# Altium PCB 400389.PcbDoc (part 2 of 8)
Units mm, origin at the board's own origin, x right, y up, seen from the top; angles counter-clockwise.
Board outline 155 x 63.5 mm, 4 copper layers (Top Layer, Mid-Layer 1, Mid-Layer 2, Bottom Layer), stack 1.54 mm thick; 437 components, 325 nets, 2173 pads, 2226 vias.
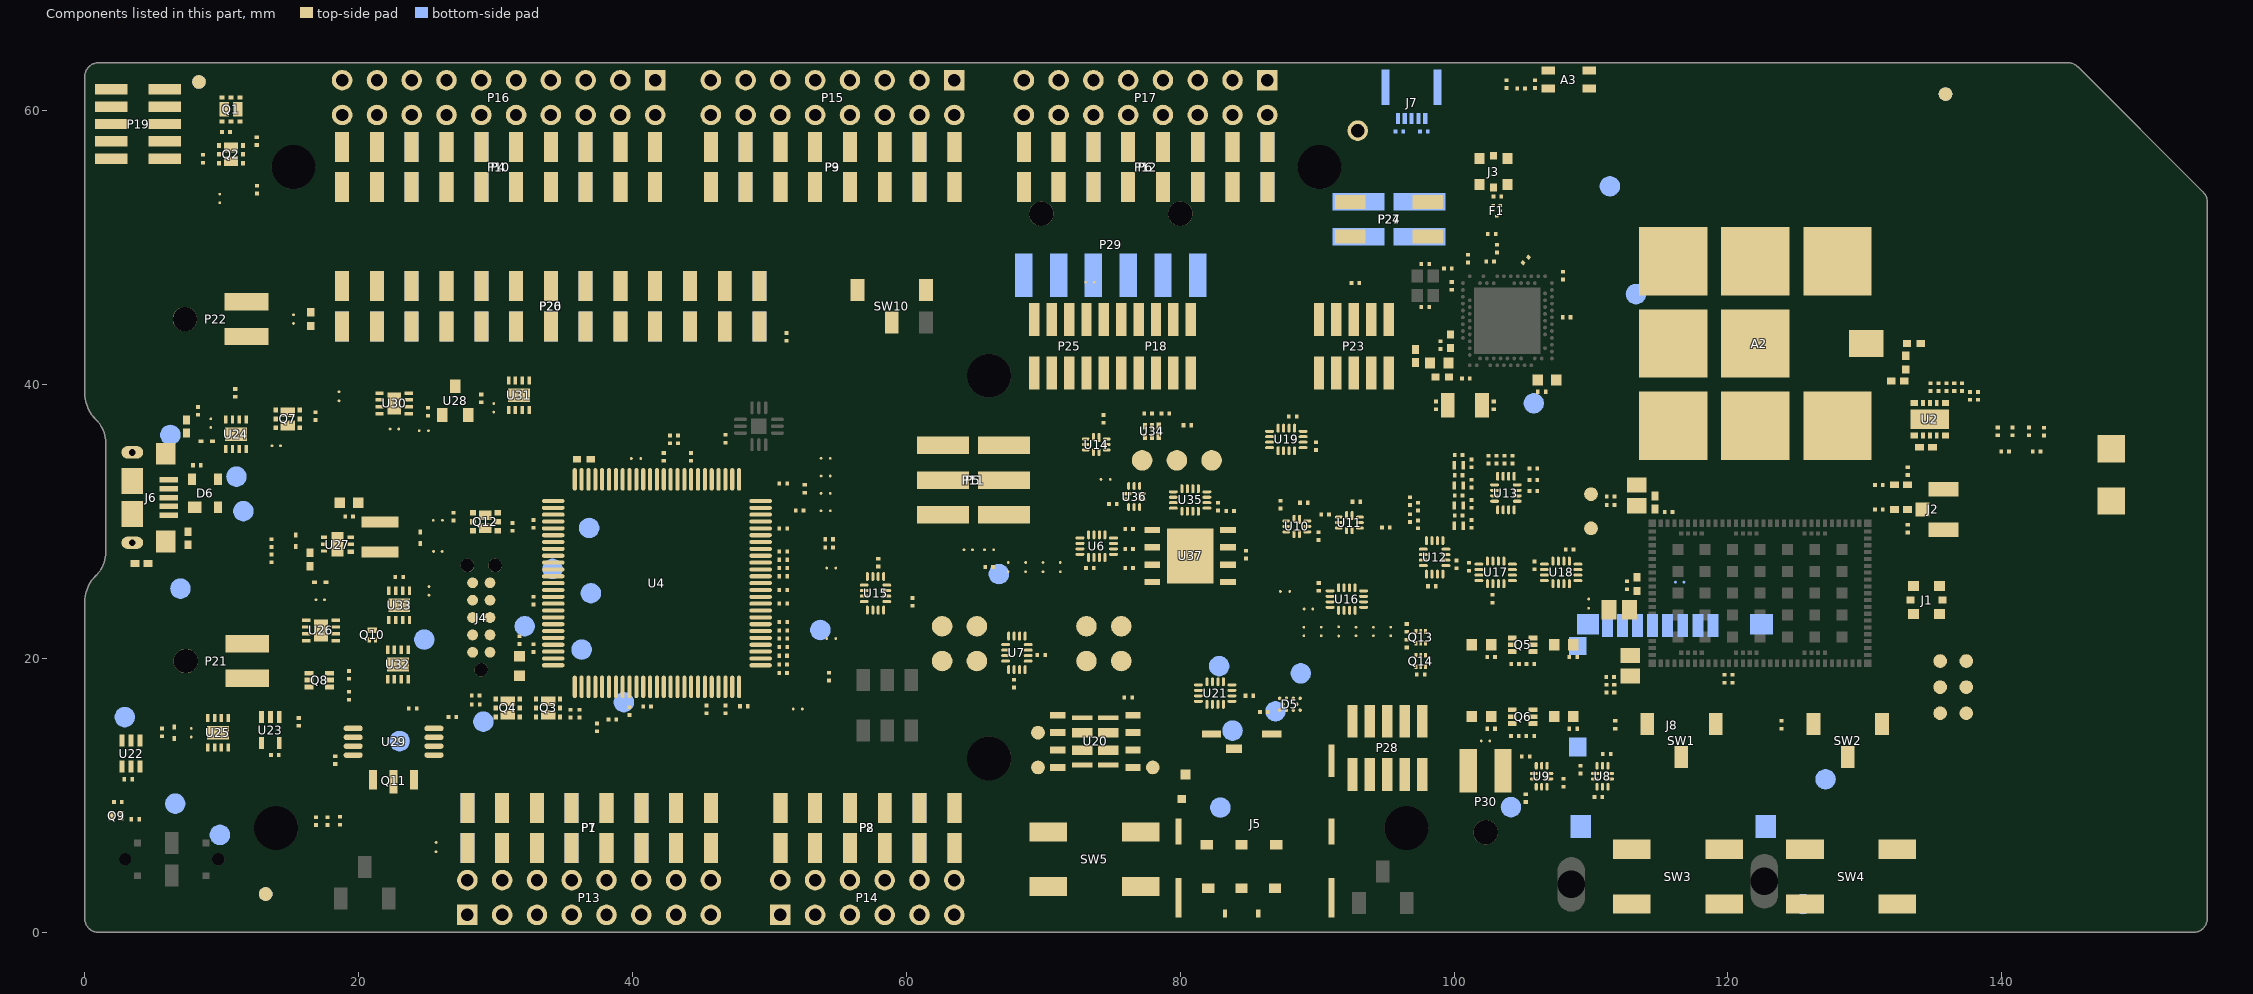
[diagram p4: the components of this part, seen from the top]

## Footprints (in the part's own frame and the unit in brackets; to place one, negate y for a bottom-side part, rotate by r counter-clockwise, add the part's x,y. Pads: shape width x height; smd on the part's side, far side on the other; paste and mask are expansions set on the pad) (continued)
P822601 [mm] "Molded Diode, 2-Leads, Body 22,00x7,00mm, IPC Medium Density"
  rect 2x2 smd: 1(-8.89,-2.286) 2(-5.08,-2.286)
  Top Layer region: -10.45,-11.296 -24.65,-11.296 -24.65,-7.996 -10.45,-7.996
  Top Layer region: 24.75,-11.296 -8.05,-11.296 -8.05,-8.001 24.75,-8.001
  Top Layer region: -8.45,-10.496 -8.95,-10.496 -8.95,-10.296 -8.45,-10.296
  Top Layer region: -9.45,-10.496 -9.95,-10.496 -9.95,-10.296 -9.45,-10.296
  Top Layer region: -8.45,-10.696 -9.95,-10.696 -9.95,-10.496 -8.45,-10.496
  Top Layer region: -8.45,-10.896 -8.95,-10.896 -8.95,-10.696 -8.45,-10.696
  Top Layer region: -9.45,-10.896 -9.95,-10.896 -9.95,-10.696 -9.45,-10.696
  Top Layer region: -9.6,-11.296 -9.8,-11.296 -9.8,-10.896 -9.6,-10.896
  Top Layer region: -7.3,-3.796 -10.4,-3.796 -10.4,-0.596 -7.3,-0.596
  Top Layer region: -8.2,-5.696 -9.2,-5.696 -9.2,-3.796 -8.2,-3.796
  Top Layer region: -8.6,-6.896 -8.8,-6.896 -8.8,-5.696 -8.6,-5.696
  Top Layer region: -8.45,-7.096 -8.95,-7.096 -8.95,-6.896 -8.45,-6.896
  Top Layer region: -9.45,-7.096 -9.95,-7.096 -9.95,-6.896 -9.45,-6.896
  Top Layer region: -8.45,-7.296 -9.95,-7.296 -9.95,-7.096 -8.45,-7.096
  Top Layer region: -8.45,-7.496 -8.95,-7.496 -8.95,-7.296 -8.45,-7.296
  Top Layer region: -9.45,-7.496 -9.95,-7.496 -9.95,-7.296 -9.45,-7.296
  Top Layer region: -9.2,-6.496 -12.45,-6.496 -12.45,-5.996 -9.2,-5.996
  Top Layer region: -10.45,-7.996 -12.45,-7.996 -12.45,-6.496 -10.45,-6.496
  Top Layer region: -3.67,-3.826 -6.399,-3.826 -6.4,-0.566 -3.67,-0.566
  Top Layer region: -3.67,-5.996 -5.71,-5.996 -5.71,-3.826 -3.67,-3.826
  Top Layer region: -3.67,-7.991 -8.05,-7.991 -8.05,-5.996 -3.67,-5.996
  Top Layer region: 24.6,-2.046 21.7,-2.046 21.7,3.754 24.6,3.754
  Top Layer region: 24.6,-5.796 12.05,-5.796 12.05,-2.046 24.6,-2.046
  Top Layer region: -21.6,-3.746 -24.5,-3.746 -24.5,-1.246 -21.6,-1.246
  Top Layer region: -22.4,-0.846 -24.5,-0.846 -24.5,0.854 -22.4,0.854
  Top Layer region: -21.6,1.254 -24.5,1.254 -24.5,3.754 -21.6,3.754
  Top Layer region: -9.45,-9.796 -9.95,-9.796 -9.95,-9.596 -9.45,-9.596
  Top Layer region: -8.45,-9.796 -8.95,-9.796 -8.95,-9.596 -8.45,-9.596
  Top Layer region: -8.45,-9.596 -9.95,-9.596 -9.95,-9.396 -8.45,-9.396
  Top Layer region: -9.45,-9.396 -9.95,-9.396 -9.95,-9.196 -9.45,-9.196
  Top Layer region: -8.45,-9.396 -8.95,-9.396 -8.95,-9.196 -8.45,-9.196
  Top Layer region: -9.6,-9.196 -9.8,-9.196 -9.8,-8.596 -9.6,-8.596
  Top Layer region: -9.45,-8.596 -9.95,-8.596 -9.95,-8.396 -9.45,-8.396
  Top Layer region: -8.45,-8.596 -8.95,-8.596 -8.95,-8.396 -8.45,-8.396
  Top Layer region: -8.45,-8.396 -9.95,-8.396 -9.95,-8.196 -8.45,-8.196
  Top Layer region: -9.45,-8.196 -9.95,-8.196 -9.95,-7.996 -9.45,-7.996
  Top Layer region: -8.45,-8.196 -8.95,-8.196 -8.95,-7.996 -8.45,-7.996
  Bottom Layer region: 24.752,-11.296 -24.648,-11.296 -24.65,-7.996 24.75,-7.996
  Bottom Layer region: -3.86,-7.996 -12.45,-7.996 -12.45,-5.996 -3.86,-5.996
  Bottom Layer region: 4.7,-5.796 3.7,-5.796 3.7,-3.746 4.7,-3.746
  Bottom Layer region: 6.2,-5.796 5.2,-5.796 5.2,-3.746 6.2,-3.746
  Bottom Layer region: 13.2,-4.596 11.2,-4.596 11.2,-3.746 13.2,-3.746
  Bottom Layer region: 10.7,-4.596 9.7,-4.596 9.7,-3.746 10.7,-3.746
  Bottom Layer region: 9.2,-4.596 8.2,-4.596 8.2,-3.746 9.2,-3.746
  Bottom Layer region: 7.7,-4.596 6.7,-4.596 6.7,-3.746 7.7,-3.746
  Bottom Layer region: 13.2,-4.896 6.7,-4.896 6.7,-4.596 13.2,-4.596
  Bottom Layer region: 13.2,-5.796 11.2,-5.796 11.2,-4.896 13.2,-4.896
  Bottom Layer region: 10.7,-5.796 9.7,-5.796 9.7,-4.896 10.7,-4.896
  Bottom Layer region: 9.2,-5.796 8.2,-5.796 8.2,-4.896 9.2,-4.896
  Bottom Layer region: 7.7,-5.796 6.7,-5.796 6.7,-4.896 7.7,-4.896
  Bottom Layer region: -22.5,-5.046 -24.5,-5.046 -24.5,-4.046 -22.5,-4.046
  Bottom Layer region: -21,-3.546 -22,-3.546 -22,-1.046 -21,-1.046
  Bottom Layer region: -22.5,-0.546 -24.5,-0.546 -24.5,3.754 -22.5,3.754
  Bottom Layer region: -22.5,-1.046 -22.8,-1.046 -22.8,-0.546 -22.5,-0.546
  Bottom Layer region: -22.5,-2.046 -24.5,-2.046 -24.5,-1.046 -22.5,-1.046
  Bottom Layer region: -24.196,-2.546 -24.5,-2.546 -24.5,-2.046 -24.196,-2.046
  Bottom Layer region: -22.5,-3.546 -24.5,-3.546 -24.5,-2.546 -22.5,-2.546
  Multi-Layer pour cut-out: -39.95,5.08 39.05,5.08 39.05,-7.996 -39.95,-7.996
  silkscreen extent -25.2,-4.25 25.3,4.05, body extent -24.95,-4 25.05,4, height 3.2
PMCPB5530X [mm] "QFN, 6-Leads, Body 2.00x2.00mm, Pitch 0.65mm, IPC Medium Density"
  rect 0.3x0.35 smd mask+0.05: 1(-0.875,0.65) 2(-0.875,0) 3(-0.875,-0.65) 4(0.875,-0.65) 5(0.875,0) 6(0.875,0.65)
  rect 1.05x0.72 smd mask+0.05: 3(0,-0.49) 6(0,0.49)
  silkscreen extent -1.47,-1.06 1.06,1.27, body extent -1.05,-1.05 1.05,1.05, height 0.65
PSON50P100X60-6N [mm] "PSON, 6-Leads, Body 1.45x1.00mm, Pitch 0.50mm, IPC Medium Density"
  rect 0.52x0.3 smd mask+0.05: 1(-0.38,0.5)
  rect 0.49x0.3 smd mask+0.05: 2(-0.375,0) 3(-0.375,-0.5) 4(0.375,-0.5) 5(0.375,0) 6(0.375,0.5)
  silkscreen extent -0.74,-0.79 0.53,0.91, body extent -0.53,-0.75 0.53,0.75, height 0.6
RESC0603X03L_C [mm] "Chip Resistor, 2-Leads, Body 0.6x0.3mm, IPC High Density"
  rect 0.27x0.3 smd: 1(-0.285,0) 2(0.285,0)
  silkscreen extent -0.49,-0.22 0.49,0.22, body extent -0.3,-0.15 0.3,0.15, height 0.23
RESC0603X03L_C_NC [mm] "Chip Resistor, 2-Leads, Body 0.6x0.3mm, IPC High Density"
  rect 0.27x0.3 smd: 1(-0.285,0) 2(0.285,0)
  silkscreen extent -0.49,-0.22 0.49,0.22
RESC1005X04L [mm] "Chip Resistor, 2-Leads, Body 1.0x0.5mm, IPC High Density"
  rect 0.6x0.55 smd mask+0.05: 1(-0.5,0) 2(0.5,0)
  silkscreen extent -0.87,-0.38 0.88,0.38, body extent -0.5,-0.25 0.5,0.25, height 0.3
RESC1005X04L_NC [mm] "Chip Resistor, 2-Leads, Body 1.0x0.5mm, IPC High Density"
  rect 0.6x0.55 smd mask+0.05: 1(-0.5,0) 2(0.5,0)
  silkscreen extent -0.87,-0.38 0.88,0.38
SAFFB2G45MA0F0A [mm] "SOT23, 5-Leads, Body 2,90x2,80mm, Pitch 0,95mm, IPC Medium Density"
  rect 0.2x0.25 smd mask+0.065: 1(-0.4,0) 2(0,-0.25) 3(0.4,-0.25) 4(0.4,0.25) 5(0,0.25)
  silkscreen extent -0.81,-0.71 0.61,0.51, body extent -0.55,-0.45 0.55,0.45, height 0.5
SF72S006VBAR2500 [mm] "SOT23, 5-Leads, Body 2,90x2,80mm, Pitch 0,95mm, IPC Medium Density"
  rect 0.45x2.9 smd: 0(-11.175,1.9) 0(0,1.9)
  rect 0.45x1.9 smd: 0(-11.175,6.75) 0(0,6.75)
  rect 0.75x0.7 smd: 0(-10.675,10.9)
  rect 1.4x0.5 smd: 0(-8.78,13.85) 0(-4.38,13.85)
  rect 0.3x0.6 smd: 0(-7.8,0.75) 0(-5.36,0.75)
  rect 0.45x2.4 smd: 0(0,11.9)
  rect 0.9x0.7 smd: C1(-4.14,2.6) C2(-6.58,2.6) C3(-9.02,2.6) C5(-4.04,5.77) C6(-6.58,5.77) C7(-9.12,5.77)
  rect 0.6x0.6 smd: CSW(-10.95,9.1)
  rect 1.2x0.65 smd: DSW(-7.13,12.775)
  Top Layer pour cut-out: -10.084,9.5 -3.073,9.5 -3.073,-0.025 -10.084,-0.025
  Top Layer pour cut-out: -8.407,13.106 -3.48,13.106 -3.48,9.855 -8.407,9.855
  silkscreen extent -11.3,-0.67 0.67,14.53, body extent -11.2,0.05 0.02,14.4, height 1.25
Shunt_2.54mm_Horizontal [mm]
  body extent 0,-2.54 5.03,2.54, height 3.04
SKY65943-11 [mm]
  rect 0.425x0.515 smd mask+0.05: 1(-1.188,1.144) 5(-1.188,-1.144) 6(1.188,-1.144) 10(1.188,1.144)
  rect 0.425x0.275 smd mask+0.05: 2(-1.188,0.5) 3(-1.188,0) 4(-1.188,-0.5) 7(1.188,-0.5) 8(1.188,0) 9(1.188,0.5)
  rect 1.45x2.802 smd paste-2 mask-5: 11(0,0)
  rect 1.55x2.487 on Top Solder: ""(0,0)
  Top Layer region: -0.988,0.887 -0.713,0.887 -0.713,1.4 -0.988,1.4
  Top Layer region: 0.712,-1.4 0.987,-1.4 0.987,-0.887 0.712,-0.887
  Top Layer region: 0.712,0.362 0.987,0.362 0.987,0.637 0.712,0.637
  Top Layer region: -0.712,-0.362 -0.987,-0.362 -0.987,-0.637 -0.712,-0.637
  silkscreen extent -1.65,-1.3 1.3,1.65, body extent -1.25,-1.25 1.25,1.25, height 0.71
SOCKET_1x6_SMD [mm] "Socket, 2.54mm, SMD"
  rect 1.02x2.19 smd: 1(0,-1.465) 1(0,1.465) 2(2.54,-1.465) 2(2.54,1.465) 3(5.08,-1.465) 3(5.08,1.465) 4(7.62,-1.465) 4(7.62,1.465) 5(10.16,-1.465) 5(10.16,1.465) 6(12.7,1.465) 6(12.7,-1.465)
  silkscreen extent -1.27,-1.27 13.97,1.27, body extent -1.27,-2.29 13.97,2.29, height 7.47
SOCKET_1x8_SMD [mm] "Socket, 2.54mm, SMD"
  rect 1.02x2.19 smd: 1(0,-1.465) 1(0,1.465) 2(2.54,-1.465) 2(2.54,1.465) 3(5.08,-1.465) 3(5.08,1.465) 4(7.62,-1.465) 4(7.62,1.465) 5(10.16,-1.465) 5(10.16,1.465) 6(12.7,1.465) 6(12.7,-1.465) 7(15.24,-1.465) 7(15.24,1.465) 8(17.78,-1.465) 8(17.78,1.465)
  silkscreen extent -1.27,-1.27 19.05,1.27, body extent -1.27,-2.29 19.05,2.29, height 7.47
SOCKET_1x10_SMD [mm] "Socket, 2.54mm, SMD"
  rect 1.02x2.19 smd: 1(0,1.465) 1(0,-1.465) 2(2.54,-1.465) 2(2.54,1.465) 3(5.08,-1.465) 3(5.08,1.465) 4(7.62,-1.465) 4(7.62,1.465) 5(10.16,-1.465) 5(10.16,1.465) 6(12.7,-1.465) 6(12.7,1.465) 7(15.24,-1.465) 7(15.24,1.465) 8(17.78,-1.465) 8(17.78,1.465) 9(20.32,-1.465) 9(20.32,1.465) 10(22.86,-1.465) 10(22.86,1.465)
  silkscreen extent -1.27,-1.27 24.13,1.27, body extent -1.27,-2.29 24.13,2.29, height 7.47
SOCKET_2x3_SMD-2.54mm-bottom-NC [mm] "Socket, 2.54mm, SMD"
  rect 1.02x2.22 smd far side: 1(-2.54,-2.825) 2(-2.54,2.825) 3(0,-2.825) 4(0,2.825) 5(2.54,-2.825) 6(2.54,2.825)
SODFL35X40-2N [mm] "SODFL, 2-Leads, Body 0,60x0,35mm, IPC Medium Density"
  rect 0.25x0.6 smd: 1(-0.325,0) 3(0.325,0)
  silkscreen extent -0.51,-0.38 0.68,0.68, body extent -0.53,-0.33 0.53,0.33, height 0.4
SODFL100X40-2N [mm] "SODFL, 2-Leads, Body 0.60x1.00mm, IPC Medium Density"
  rect 0.36x0.25 smd: 1(-0.42,0) 2(0.42,0)
  silkscreen extent -0.7,-0.35 0.5,0.5, body extent -0.5,-0.32 0.5,0.32, height 0.4
Solderbridge#1 [mm]
  round 0.2 smd paste-10: 1(-0.312,0) 2(0.312,0)
  Top Layer region: 0.077,0.432 0.152,0.505 0.271,0.467 0.335,0.424 0.409,0.351 0.462,0.292 0.521,0.193 0.549,0.099 0.544,-0.122 0.518,-0.193 0.434,-0.33 0.351,-0.411 0.259,-0.469 0.157,-0.5 0.107,-0.483 0.077,-0.43
  Top Layer region: -0.077,-0.432 -0.152,-0.505 -0.271,-0.467 -0.335,-0.424 -0.409,-0.351 -0.462,-0.292 -0.521,-0.193 -0.549,-0.099 -0.544,0.122 -0.518,0.193 -0.434,0.33 -0.351,0.411 -0.259,0.469 -0.157,0.5 -0.107,0.483 -0.077,0.43
  Top Layer lines w0.152: -0.153,0.431 ccw(c-0.042,0) -0.312,0.353 ccw(c-0.042,0) -0.461,0.149 ccw(c-0.042,0) -0.487,0 ccw(c-0.042,0) -0.487,-0.017 ccw(c-0.042,0) -0.312,-0.353 ccw(c-0.042,0) -0.153,-0.431 ; 0.153,0.431 cw(c0.042,0) 0.302,0.361 cw(c0.042,0) 0.461,0.149 cw(c0.042,0) 0.486,0.025 cw(c0.042,0) 0.487,0 cw(c0.042,0) 0.153,-0.431
Solderbridge#2 [mm]
  round 0.2 smd paste-10: 1(-0.312,0) 2(0.312,0)
  Top Layer region: -0.077,-0.432 -0.152,-0.505 -0.271,-0.467 -0.335,-0.424 -0.409,-0.351 -0.462,-0.292 -0.521,-0.193 -0.549,-0.099 -0.544,0.122 -0.518,0.193 -0.434,0.33 -0.351,0.411 -0.259,0.469 -0.157,0.5 -0.107,0.483 -0.077,0.43
  Top Layer region: 0.077,0.432 0.152,0.505 0.271,0.467 0.335,0.424 0.409,0.351 0.462,0.292 0.521,0.193 0.549,0.099 0.544,-0.122 0.518,-0.193 0.434,-0.33 0.351,-0.411 0.259,-0.469 0.157,-0.5 0.107,-0.483 0.077,-0.43
  Top Layer lines w0.152: 0.153,0.431 cw(c0.042,0) 0.265,0.385 cw(c0.042,0) 0.295,0.366 cw(c0.042,0) 0.487,0 cw(c0.042,0) 0.487,-0.011 cw(c0.042,0) 0.48,-0.078 cw(c0.042,0) 0.265,-0.385 cw(c0.042,0) 0.153,-0.431 ; -0.153,0.431 ccw(c-0.042,0) -0.312,0.353 ccw(c-0.042,0) -0.48,0.076 ccw(c-0.042,0) -0.487,0 ccw(c-0.042,0) -0.153,-0.431
Solderbridge#3 [mm]
  round 0.2 smd paste-10: 1(-0.312,0) 2(0.312,0)
  Top Layer region: 0.077,0.432 0.152,0.505 0.271,0.467 0.335,0.424 0.409,0.351 0.462,0.292 0.521,0.193 0.549,0.099 0.544,-0.122 0.518,-0.193 0.434,-0.33 0.351,-0.411 0.259,-0.469 0.157,-0.5 0.107,-0.483 0.077,-0.43
  Top Layer region: -0.077,-0.432 -0.152,-0.505 -0.271,-0.467 -0.335,-0.424 -0.409,-0.351 -0.462,-0.292 -0.521,-0.193 -0.549,-0.099 -0.544,0.122 -0.518,0.193 -0.434,0.33 -0.351,0.411 -0.259,0.469 -0.157,0.5 -0.107,0.483 -0.077,0.43
  Top Layer lines w0.152: 0.153,-0.431 ccw(c0.042,0) 0.461,-0.149 ccw(c0.042,0) 0.487,0 ccw(c0.042,0) 0.312,0.353 ccw(c0.042,0) 0.153,0.431 ; -0.153,-0.431 cw(c-0.042,0) -0.461,-0.149 cw(c-0.042,0) -0.153,0.431
Solderbridge#4 [mm]
  round 0.2 smd paste-10: 1(-0.312,0) 2(0.312,0)
  Top Layer region: 0.077,0.432 0.152,0.505 0.271,0.467 0.335,0.424 0.409,0.351 0.462,0.292 0.521,0.193 0.549,0.099 0.544,-0.122 0.518,-0.193 0.434,-0.33 0.351,-0.411 0.259,-0.469 0.157,-0.5 0.107,-0.483 0.077,-0.43
  Top Layer region: -0.077,-0.432 -0.152,-0.505 -0.271,-0.467 -0.335,-0.424 -0.409,-0.351 -0.462,-0.292 -0.521,-0.193 -0.549,-0.099 -0.544,0.122 -0.518,0.193 -0.434,0.33 -0.351,0.411 -0.259,0.469 -0.157,0.5 -0.107,0.483 -0.077,0.43
  Top Layer lines w0.152: 0.153,-0.431 ccw(c0.042,0) 0.312,-0.353 ccw(c0.042,0) 0.487,0 ccw(c0.042,0) 0.153,0.431 ; -0.153,-0.431 cw(c-0.042,0) -0.153,0.431
Solderbridge#5 [mm]
  round 0.2 smd paste-10: 1(-0.312,0) 2(0.312,0)
  Top Layer region: 0.077,0.432 0.152,0.505 0.271,0.467 0.335,0.424 0.409,0.351 0.462,0.292 0.521,0.193 0.549,0.099 0.544,-0.122 0.518,-0.193 0.434,-0.33 0.351,-0.411 0.259,-0.469 0.157,-0.5 0.107,-0.483 0.077,-0.43
  Top Layer region: -0.077,-0.432 -0.152,-0.505 -0.271,-0.467 -0.335,-0.424 -0.409,-0.351 -0.462,-0.292 -0.521,-0.193 -0.549,-0.099 -0.544,0.122 -0.518,0.193 -0.434,0.33 -0.351,0.411 -0.259,0.469 -0.157,0.5 -0.107,0.483 -0.077,0.43
  Top Layer lines w0.152: 0.153,-0.431 ccw(c0.042,0) 0.461,-0.149 ccw(c0.042,0) 0.153,0.431 ; -0.153,-0.431 cw(c-0.042,0) -0.153,0.431
Solderbridge#6 [mm]
  round 0.2 smd paste-10: 1(-0.312,0) 2(0.312,0)
  Top Layer region: -0.077,-0.432 -0.152,-0.505 -0.271,-0.467 -0.335,-0.424 -0.409,-0.351 -0.462,-0.292 -0.521,-0.193 -0.549,-0.099 -0.544,0.122 -0.518,0.193 -0.434,0.33 -0.351,0.411 -0.259,0.469 -0.157,0.5 -0.107,0.483 -0.077,0.43
  Top Layer region: 0.077,0.432 0.152,0.505 0.271,0.467 0.335,0.424 0.409,0.351 0.462,0.292 0.521,0.193 0.549,0.099 0.544,-0.122 0.518,-0.193 0.434,-0.33 0.351,-0.411 0.259,-0.469 0.157,-0.5 0.107,-0.483 0.077,-0.43
  Top Layer lines w0.152: 0.153,0.431 cw(c0.042,0) 0.461,0.149 cw(c0.042,0) 0.487,0 cw(c0.042,0) 0.312,-0.353 cw(c0.042,0) 0.153,-0.431 ; -0.153,0.431 ccw(c-0.042,0) -0.487,0 ccw(c-0.042,0) -0.417,-0.24 ccw(c-0.042,0) -0.385,-0.283 ccw(c-0.042,0) -0.312,-0.353 ccw(c-0.042,0) -0.153,-0.431
Solderbridge#7 [mm]
  round 0.2 smd paste-10: 1(-0.312,0) 2(0.312,0)
  Top Layer region: 0.077,0.432 0.152,0.505 0.271,0.467 0.335,0.424 0.409,0.351 0.462,0.292 0.521,0.193 0.549,0.099 0.544,-0.122 0.518,-0.193 0.434,-0.33 0.351,-0.411 0.259,-0.469 0.157,-0.5 0.107,-0.483 0.077,-0.43
  Top Layer region: -0.077,-0.432 -0.152,-0.505 -0.271,-0.467 -0.335,-0.424 -0.409,-0.351 -0.462,-0.292 -0.521,-0.193 -0.549,-0.099 -0.544,0.122 -0.518,0.193 -0.434,0.33 -0.351,0.411 -0.259,0.469 -0.157,0.5 -0.107,0.483 -0.077,0.43
  Top Layer lines w0.152: 0.153,0.431 cw(c0.042,0) 0.486,0.025 cw(c0.042,0) 0.487,0 cw(c0.042,0) 0.153,-0.431 ; -0.153,0.431 ccw(c-0.042,0) -0.469,0.123 ccw(c-0.042,0) -0.477,0.096 ccw(c-0.042,0) -0.487,0 ccw(c-0.042,0) -0.461,-0.149 ccw(c-0.042,0) -0.153,-0.431
Solderbridge#8 [mm]
  round 0.2 smd paste-10: 1(-0.312,0) 2(0.312,0)
  Top Layer region: 0.077,0.432 0.152,0.505 0.271,0.467 0.335,0.424 0.409,0.351 0.462,0.292 0.521,0.193 0.549,0.099 0.544,-0.122 0.518,-0.193 0.434,-0.33 0.351,-0.411 0.259,-0.469 0.157,-0.5 0.107,-0.483 0.077,-0.43
  Top Layer region: -0.077,-0.432 -0.152,-0.505 -0.271,-0.467 -0.335,-0.424 -0.409,-0.351 -0.462,-0.292 -0.521,-0.193 -0.549,-0.099 -0.544,0.122 -0.518,0.193 -0.434,0.33 -0.351,0.411 -0.259,0.469 -0.157,0.5 -0.107,0.483 -0.077,0.43
  Top Layer lines w0.152: -0.153,0.431 ccw(c-0.042,0) -0.487,0 ccw(c-0.042,0) -0.153,-0.431 ; 0.153,0.431 cw(c0.042,0) 0.441,0.196 cw(c0.042,0) 0.441,-0.196 cw(c0.042,0) 0.153,-0.431
Solderbridge#9 [mm]
  round 0.2 smd paste-10: 1(-0.312,0) 2(0.312,0)
  Top Layer region: 0.077,0.432 0.152,0.505 0.271,0.467 0.335,0.424 0.409,0.351 0.462,0.292 0.521,0.193 0.549,0.099 0.544,-0.122 0.518,-0.193 0.434,-0.33 0.351,-0.411 0.259,-0.469 0.157,-0.5 0.107,-0.483 0.077,-0.43
  Top Layer region: -0.077,-0.432 -0.152,-0.505 -0.271,-0.467 -0.335,-0.424 -0.409,-0.351 -0.462,-0.292 -0.521,-0.193 -0.549,-0.099 -0.544,0.122 -0.518,0.193 -0.434,0.33 -0.351,0.411 -0.259,0.469 -0.157,0.5 -0.107,0.483 -0.077,0.43
  Top Layer lines w0.152: -0.153,0.431 ccw(c-0.042,0) -0.312,0.353 ccw(c-0.042,0) -0.473,0.109 ccw(c-0.042,0) -0.487,0.017 ccw(c-0.042,0) -0.473,-0.109 ccw(c-0.042,0) -0.313,-0.353 ccw(c-0.042,0) -0.153,-0.431 ; 0.153,0.431 cw(c0.042,0) 0.312,0.353 cw(c0.042,0) 0.479,0.085 cw(c0.042,0) 0.487,0.017 cw(c0.042,0) 0.487,0 cw(c0.042,0) 0.479,-0.085 cw(c0.042,0) 0.153,-0.431
Solderbridge#10 [mm]
  round 0.2 smd paste-10: 1(-0.312,0) 2(0.312,0)
  Top Layer region: -0.077,-0.432 -0.152,-0.505 -0.271,-0.467 -0.335,-0.424 -0.409,-0.351 -0.462,-0.292 -0.521,-0.193 -0.549,-0.099 -0.544,0.122 -0.518,0.193 -0.434,0.33 -0.351,0.411 -0.259,0.469 -0.157,0.5 -0.107,0.483 -0.077,0.43
  Top Layer region: 0.077,0.432 0.152,0.505 0.271,0.467 0.335,0.424 0.409,0.351 0.462,0.292 0.521,0.193 0.549,0.099 0.544,-0.122 0.518,-0.193 0.434,-0.33 0.351,-0.411 0.259,-0.469 0.157,-0.5 0.107,-0.483 0.077,-0.43
  Top Layer lines w0.152: 0.153,-0.431 ccw(c0.042,0) 0.312,-0.353 ccw(c0.042,0) 0.461,-0.149 ccw(c0.042,0) 0.486,0.029 ccw(c0.042,0) 0.461,0.149 ccw(c0.042,0) 0.312,0.353 ccw(c0.042,0) 0.153,0.431 ; -0.153,-0.431 cw(c-0.042,0) -0.312,-0.353 cw(c-0.042,0) -0.396,-0.27 cw(c-0.042,0) -0.406,-0.255 cw(c-0.042,0) -0.432,-0.214 cw(c-0.042,0) -0.487,-0.014 cw(c-0.042,0) -0.487,0 cw(c-0.042,0) -0.461,0.149 cw(c-0.042,0) -0.432,0.214 cw(c-0.042,0) -0.312,0.353 cw(c-0.042,0) -0.2,0.416 cw(c-0.042,0) -0.153,0.431
Solderbridge_Shorted#1 [mm]
  round 0.2 smd paste-10: 1(-0.338,0) 2(0.338,0)
  Top Layer region: -0.102,-0.432 -0.178,-0.505 -0.296,-0.467 -0.361,-0.424 -0.434,-0.351 -0.488,-0.292 -0.546,-0.193 -0.574,-0.099 -0.569,0.122 -0.544,0.193 -0.46,0.33 -0.376,0.411 -0.284,0.469 -0.183,0.5 -0.132,0.483 -0.102,0.43
  Top Layer region: 0.102,0.432 0.178,0.505 0.296,0.467 0.361,0.424 0.434,0.351 0.488,0.292 0.546,0.193 0.574,0.099 0.569,-0.122 0.544,-0.193 0.46,-0.33 0.376,-0.411 0.284,-0.469 0.183,-0.5 0.132,-0.483 0.102,-0.43
  Top Layer lines w0.152: -0.178,0.431 ccw(c-0.068,0) -0.178,-0.431 ; 0.178,0.431 cw(c0.068,0) 0.178,-0.431
  Top Layer lines w0.203: -0.338,0 0.338,0
Solderbridge_Shorted#2 [mm]
  round 0.2 smd paste-10: 1(-0.338,0) 2(0.338,0)
  Top Layer region: -0.102,-0.432 -0.178,-0.505 -0.296,-0.467 -0.361,-0.424 -0.434,-0.351 -0.488,-0.292 -0.546,-0.193 -0.574,-0.099 -0.569,0.122 -0.544,0.193 -0.46,0.33 -0.376,0.411 -0.284,0.469 -0.183,0.5 -0.132,0.483 -0.102,0.43
  Top Layer region: 0.102,0.432 0.178,0.505 0.296,0.467 0.361,0.424 0.434,0.351 0.488,0.292 0.546,0.193 0.574,0.099 0.569,-0.122 0.544,-0.193 0.46,-0.33 0.376,-0.411 0.284,-0.469 0.183,-0.5 0.132,-0.483 0.102,-0.43
  Top Layer lines w0.152: 0.178,0.431 cw(c0.068,0) 0.512,0 cw(c0.068,0) 0.178,-0.431 ; -0.178,0.431 ccw(c-0.068,0) -0.178,-0.431
  Top Layer lines w0.203: 0.338,0 -0.338,0
Solderbridge_Shorted_Power [mm]
  round 0.2 smd paste-10: 1(-0.338,0) 2(0.338,0)
  Top Layer region: 0.102,0.432 0.178,0.505 0.296,0.467 0.361,0.424 0.434,0.351 0.488,0.292 0.546,0.193 0.574,0.099 0.569,-0.122 0.544,-0.193 0.46,-0.33 0.376,-0.411 0.284,-0.469 0.183,-0.5 0.132,-0.483 0.102,-0.43
  Top Layer region: -0.102,-0.432 -0.178,-0.505 -0.296,-0.467 -0.361,-0.424 -0.434,-0.351 -0.488,-0.292 -0.546,-0.193 -0.574,-0.099 -0.569,0.122 -0.544,0.193 -0.46,0.33 -0.376,0.411 -0.284,0.469 -0.183,0.5 -0.132,0.483 -0.102,0.43
  Top Layer lines w0.152: -0.178,0.431 ccw(c-0.068,0) -0.178,-0.431 ; 0.178,0.431 cw(c0.068,0) 0.178,-0.431
  Top Layer lines w0.508: -0.338,0 0.338,0
SON127P600X80_HS-9N [mm] "SON, 8-Leads, Body 5.00x6.00mm, Pitch 1.27mm, Thermal Pad 4.00x3.40mm, IPC Medium Density"